# Altium PCB IT_Asset_Tracking_Rack_Controller-H743.PcbDoc (part 3 of 4)
Units mm, origin at the board's own origin, x right, y up, seen from the top; angles counter-clockwise.
Board outline 130 x 85 mm, 4 copper layers (Top Layer, MidLayer1, MidLayer2, Bottom Layer), stack 1.98 mm thick; 255 components, 233 nets, 1248 pads, 674 vias.
Unrouted connection lines stored in the file: 9.
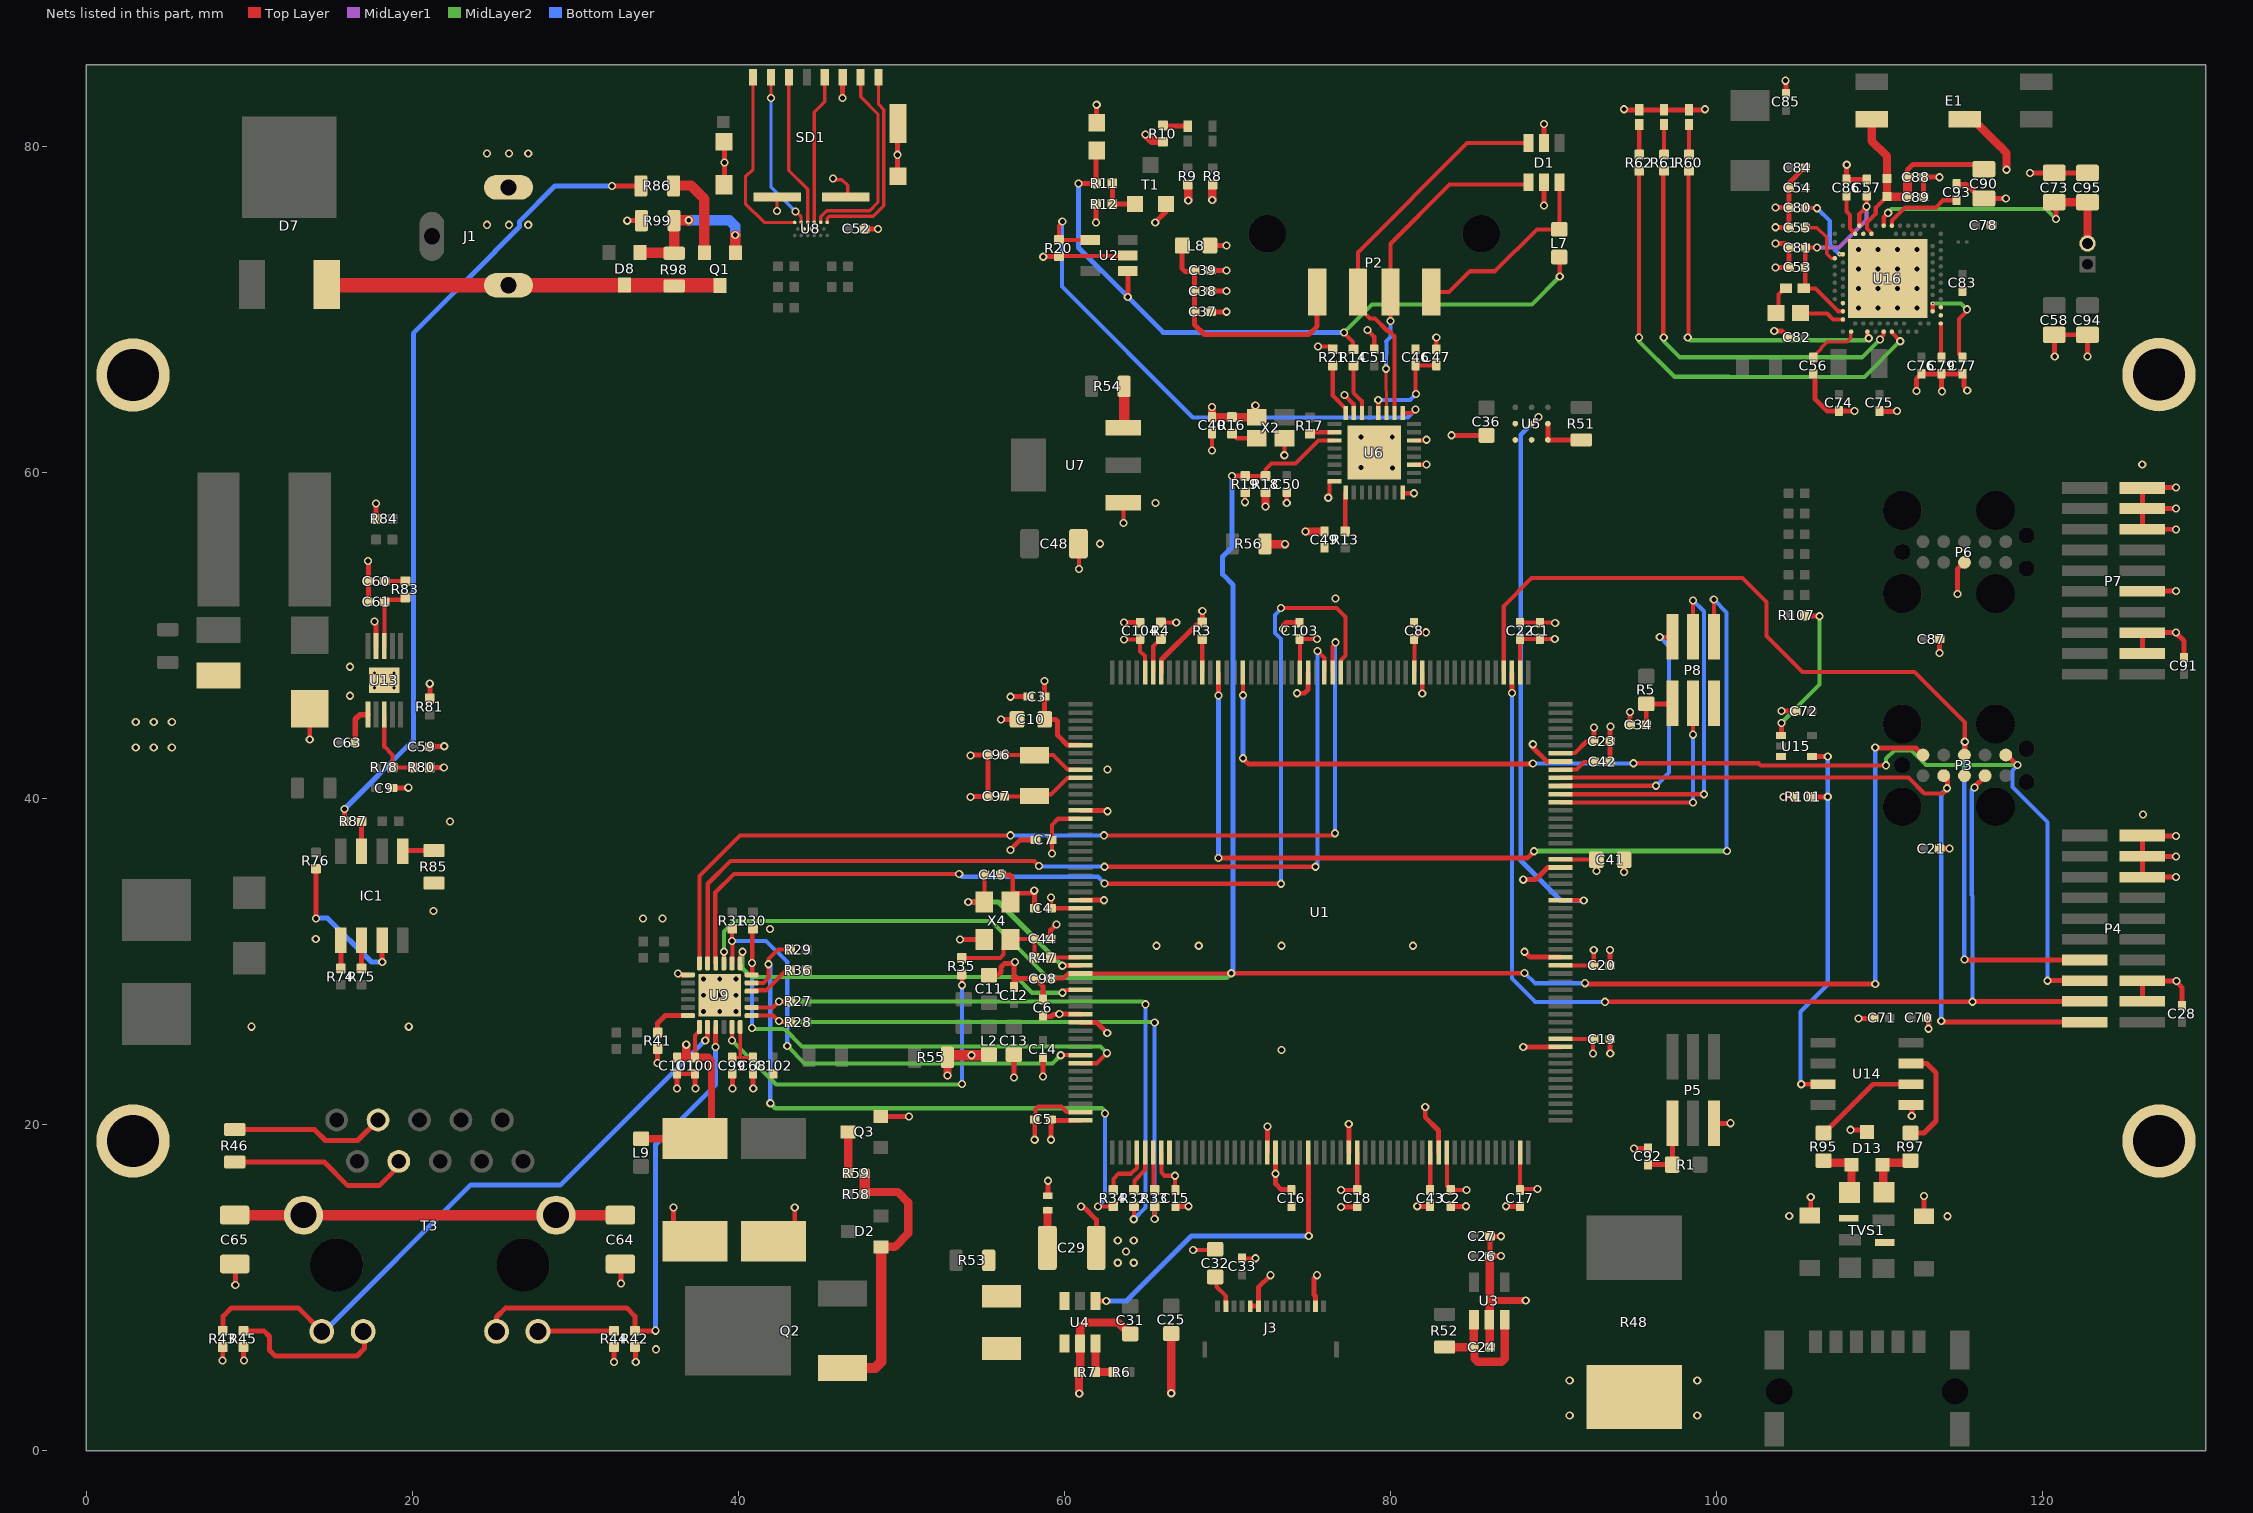
[diagram p5: the nets of this part, all layers, seen from the top]

## Via types
v1: diameter 0.5, hole 0.3, Top Layer to Bottom Layer, tented both sides, 626 vias
v2: diameter 0.61, hole 0.305, Top Layer to Bottom Layer, tented both sides, 16 vias
v3: diameter 0.25, hole 0.1, Top Layer to Bottom Layer, tented both sides, 16 vias
v4: diameter 0.6, hole 0.3, Top Layer to Bottom Layer, tented both sides, 9 vias
v5: diameter 0.3, hole 0.2, Top Layer to Bottom Layer, tented bottom, 5 vias
v6: diameter 0.5, hole 0.3, Top Layer to Bottom Layer, 2 vias

## Nets (pads, with @x,y where several pads share a name; then routed paths per layer and width w, separated by ;. In a path a pad name is that pad's centre, name@x,y a point inside that pad or via, vN(x,y) a via of type N, cw(c..) or ccw(c..) an arc to the next point about the centre after c; other vN are vias at no path point) (continued)
+3.3V: C1.2 C2.2 C3.2 C4.2 C5.2 C6.2 C7.2 C8.2 C10.2 C15.2 C16.2 C17.2 C18.2 C19.2 C20.2 C22.2 C23.2 C41.2 C103.2 C104.2 L2.1 R4.1 R55.2 U1.6 U1.15 U1.26 U1.39 U1.52 U1.59 U1.73 U1.83 U1.94 U1.103 U1.115 U1.124 U1.137 U1.150 U1.158 U1.171 U1.185 U1.204 | length 63.8
  Top Layer w0.254: v1(59.174,33.934) 59.178,33.93 59.178,33.278 C4.2@59.174,33.274 59.176,33.272 60.971,33.272 U1.26@60.973,33.27 ; v1(59.233,36.625) 59.229,36.629 59.229,37.461 C7.2@59.225,37.465 59.225,38.371 59.614,38.76 60.963,38.76 U1.15@60.973,38.77 ; v1(63.652,49.759) 64.616,49.759 C104.2@64.643,49.786 ; C104.2@64.643,49.836 C104.2@64.643,49.786 ; U1.204@64.942,47.739 64.929,47.752 64.929,48.736 64.643,49.022 C104.2@64.643,49.786 ; R4.1@65.913,50.792 65.921,50.8 v1(66.853,50.8) ; U1.59@65.938,18.288 65.942,18.284 65.942,17.065 66.142,16.866 v1(66.777,16.866) 66.789,16.853 66.789,15.981 C15.2@66.777,15.969 ; U1.59@65.942,18.301 U1.59@65.955,18.288 ; U1.73@72.929,18.288 U1.73@72.942,18.301 ; U1.185@74.442,47.739 74.442,49.766 C103.2@74.422,49.786 75.487,49.786 v1(75.489,49.784) ; v1(76.962,16.002) 76.97,15.994 C18.2@77.953,15.994 ; U1.83@77.942,18.301 77.955,18.288 77.955,16.017 C18.2@77.978,15.994 ; C8.2@81.442,49.786 81.444,49.784 81.458,49.77 U1.171@81.458,47.777 ; U1.94@83.442,18.301 83.455,18.288 83.455,16.232 C2.2@83.693,15.994 84.65,15.994 v1(84.658,16.002) ; U1.103@87.942,18.301 87.938,18.297 87.938,15.998 87.994,16.053 v1(89.002,16.053) ; U1.158@87.942,47.739 C22.2@87.942,49.786 87.942,49.792 C1.2@89.154,49.792 ; C1.2@89.155,49.785 v1(90.068,49.784) ; U1.115@90.411,25.27 90.422,25.259 92.453,25.259 C19.2@92.456,25.256 ; U1.137@90.411,36.27 C41.2@92.598,36.27 ; U1.124@90.411,29.77 C20.2@92.464,29.769 92.46,29.773 92.46,30.705 v1(92.456,30.709) ; U1.150@90.422,42.759 U1.150@90.411,42.77 90.424,42.783 91.297,42.783 91.999,43.485 92.439,43.485 C23.2@92.464,43.51 ; v1(92.405,24.359) 92.405,25.205 C19.2@92.456,25.256 ; C19.2@92.464,25.248 C19.2@92.456,25.256 ; v1(92.634,35.56) 92.634,36.234 C41.2@92.622,36.246 C41.2@92.603,36.265 ; C41.2@92.598,36.27 92.603,36.275 C41.2@92.603,36.265 ; C41.2@92.598,36.27 C41.2@92.603,36.265
  Top Layer w0.305: C6.2@58.674,26.678 58.674,26.728 C6.2@58.772,26.826 ; v1(58.776,47.219) 58.787,47.207 C3.2@58.787,46.253 C10.2@58.787,44.856 59.461,44.856 59.578,44.74 59.578,43.876 60.172,43.283 60.96,43.283 U1.6@60.973,43.27 ; C6.2@58.825,26.645 59.203,26.645 59.318,26.76 59.647,26.76 v1(59.685,26.797) 59.699,26.783 60.96,26.783 U1.39@60.973,26.77 ; C5.2@59.174,20.32 C5.2@59.178,20.316 ; v1(59.182,19.075) 59.178,19.079 C5.2@59.178,20.316 ; U1.52@60.973,20.27 59.224,20.27 C5.2@59.178,20.316 ; U1.73@72.942,18.301 v1(72.942,16.993) 72.949,16.986 72.949,16.372 73.304,16.016 73.914,16.016 C16.2@73.914,15.994 ; C8.2@81.444,49.784 81.853,50.194 v1(82.169,50.194) ; C23.2@92.464,43.51 v1(92.464,44.348)
  Top Layer w0.508: v1(52.832,23.012) R55.2@52.832,24.095
  Top Layer w0.635: R55.2@52.816,24.174 52.899,24.257 v1(54.305,24.257) 55.421,24.257 L2.1@55.448,24.284
+3V3: C40.2 C49.2 R8.2 R9.1 R10.1 R16.1 R18.1 R56.2 U6.8 U6.11 U6.14 U6.32 X2.4 | length 14.2
  Top Layer w0.254: v1(76.175,58.445) 76.175,58.512 76.256,58.593 76.256,59.461 76.259,59.464 U6.32@76.559,59.464 ; U6.8@80.744,58.779 80.744,58.728 80.747,58.725 v1(81.425,58.725) ; U6.11@81.429,60.464 81.432,60.467 82.184,60.467 v1(82.194,60.477) ; U6.14@81.429,61.964 81.432,61.967 82.16,61.967 v1(82.194,62.001)
  Top Layer w0.508: v1(64.973,80.721) 65.376,80.318 65.994,80.318 R10.1@66.04,80.272 ; R9.1@67.564,77.656 67.589,77.63 v1(67.589,76.683) ; v1(69.053,64.008) C40.2@69.053,63.39 R16.1@70.273,63.39 70.274,63.389 X2.4@71.794,63.388 ; v1(69.063,76.708) 69.063,77.63 R8.2@69.088,77.656 ; v1(71.704,64.108) 71.704,63.478 X2.4@71.794,63.388 ; X2.4@71.794,63.388 X2.4@71.794,63.388 ; R56.2@72.298,55.618 72.318,55.598 v1(73.533,55.598) ; v6(72.335,57.912) R18.1@72.335,58.778 ; v1(74.778,56.38) C49.2@75.946,56.38
ANT: C88.1 C89.2 C90.2 E1.2 L6.1 L6.2 U16.H23 | length 15.9
  Top Layer w0.254: U16.H23@109.49,74.632 109.49,74.686 109.22,74.956 109.22,75.336 109.756,75.872 109.756,76.236 L6.1@110.439,76.92 L6.1@110.456,76.903 ; C89.2@111.675,76.903 C89.2@111.692,76.886
  Top Layer w0.305: C88.1@111.692,78.105 111.692,78.545 112.039,78.892 116.089,78.892 C90.2@116.383,78.599
  Top Layer w0.508: E1.2@109.504,81.654 109.504,80.336 110.439,79.4 L6.2@110.439,78.02 L6.1@110.439,76.92 ; L6.1@110.456,76.903 C89.2@111.675,76.903
  Top Layer w0.559: C89.2@111.692,76.886 C88.1@111.692,78.105
AUX: IC1.7 R87.2 | length 1.8
  Top Layer w0.305: R87.2@16.883,38.602 16.887,38.598 16.887,36.765 IC1.7@16.891,36.761
BOOT: C63.2 U13.1 | length 2.3
  Top Layer w0.356: C63.2@16.51,43.434 16.51,44.856 16.798,45.144 U13.1@17.288,45.144
COMP: C61.2 R83.1 U13.8 | length 4.1
  Top Layer w0.254: U13.8@18.288,49.344 18.292,49.348 18.292,52.057 18.428,52.193 19.444,52.193 R83.1@19.583,52.332
D+: U16.AD6
D-: U16.AD4
D_N: D1.4 P2.2 U6.19 | length 20.2
  Top Layer w0.203: v1(79.717,66.36) U6.19@79.744,63.649
  Top Layer w0.254: v1(79.994,69.291) 79.994,70.587 P2.2@80.035,70.628 ; P2.2@80.035,71.015 P2.2@79.994,71.056 79.994,74.025 83.617,77.648 88.312,77.648 D1.4@88.458,77.794
  Bottom Layer w0.254: v1(79.717,66.36) 79.744,68.008 79.731,68.021 80.035,68.326 79.994,68.367 v1(79.994,69.291)
D_P: D1.3 P2.3 U6.18 | length 24.3
  Top Layer w0.254: U6.18@80.244,63.649 80.244,68.348 79.904,68.688 79.795,68.688 79.045,69.438 78.732,69.438 77.994,70.176 P2.3@77.994,71.056 77.994,73.498 84.69,80.194 D1.3@88.458,80.194
DE_U14: R101.1 U14.3 U15.4 | length 24.1
  Top Layer w0.305: v1(105.181,22.479) 106.418,22.479 106.469,22.428 U14.3@106.52,22.479 ; R101.1@105.816,40.107 v1(106.807,40.107) ; U15.4@105.842,42.57 v1(106.807,42.57)
  Bottom Layer w0.254: v1(105.181,22.479) 105.131,22.53 105.131,26.924 106.807,28.6 v1(106.807,40.107) v1(106.807,42.57)
DEBUGCTS: P8.4 U1.145 | length 23.2
  Top Layer w0.254: U1.145@90.411,40.27 90.418,40.263 v1(99.212,40.263) ; P8.4@98.552,49.911 v1(98.552,52.146)
  Bottom Layer w0.254: v1(98.552,52.146) 99.212,51.486 v1(99.212,40.263)
DEBUGRTS: P8.2 U1.146 | length 16.3
  Top Layer w0.254: U1.146@90.411,40.77 90.423,40.781 v1(96.266,40.781) ; v1(96.509,49.911) P8.2@97.282,49.911
  Bottom Layer w0.254: v1(96.266,40.781) 97.079,41.594 97.079,49.341 v1(96.509,49.911)
DEBUGRX: P8.3 U1.144 | length 14.2
  Top Layer w0.254: U1.144@90.411,39.77 v1(98.552,39.751) ; v1(98.552,43.917) P8.3@98.552,45.847
  Bottom Layer w0.254: v1(98.552,39.751) v1(98.552,43.917)
DEBUGTX: P8.6 U1.195 | length 60.8
  Top Layer w0.254: P8.6@99.822,49.911 v1(99.822,52.197)
  Top Layer w0.305: U1.195@69.442,47.739 69.447,47.735 69.447,46.334 v1(69.451,46.33) ; v1(69.444,36.347) 88.376,36.347 v1(88.798,36.77)
  MidLayer2 w0.254: v1@100.626,36.77 v1(100.635,36.779)
  MidLayer2 w0.305: v1(88.798,36.77) v1@100.626,36.77
  Bottom Layer w0.254: v1(99.822,52.197) 100.609,51.41 100.609,36.805 v1(100.635,36.779)
  Bottom Layer w0.305: v1(69.444,36.347) 69.444,46.322 v1(69.451,46.33)
DEC1: C56.2 U16.C1 | length 3.3
  Top Layer w0.203: C56.2@105.918,67.048 105.918,67.098 106.411,67.591 106.411,67.651 106.756,67.996 107.967,67.996 108.226,68.255 108.226,68.618 U16.C1@108.24,68.632
DEC3: C86.2 U16.D23 | length 2.6
  Top Layer w0.254: C86.2@107.95,76.97 107.95,76.017 108.179,75.788 108.179,74.949 108.49,74.638 U16.D23@108.49,74.632
DEC6_to_4: C53.2 C57.2 C81.2 L3.1 U16.B5 U16.E24 | length 12.8
  Top Layer w0.254: v1(106.147,73.787) C81.2@105.427,73.787 C53.2@105.427,72.568 105.427,71.384 L3.1@105.342,71.298 105.369,71.271 106.048,71.271 107.432,69.886 107.736,69.886 U16.B5@107.74,69.882 ; U16.E24@108.74,75.132 108.744,75.136 108.744,75.848 109.2,76.303 109.2,76.96 C57.2@109.198,76.962
  MidLayer1 w0.254: v1(106.147,73.787) 107.495,73.787 107.656,73.948 109.195,75.486 v1(109.195,76.302)
DET: IC1.3 R76.2 | length 9.6
  Top Layer w0.305: v1(14.097,32.639) R76.2@14.097,35.695 ; v1(18.161,29.972) IC1.3@18.161,31.311
  Bottom Layer w0.305: v1@14.046,32.664 14.808,32.664 17.501,29.972 v1(18.161,29.972)
EN_3V3: R78.2 R80.1 U13.3 | length 4.7
  Top Layer w0.254: U13.3@18.288,45.144 18.288,43.18 18.788,42.68 R78.2@18.788,41.91 R80.1@20.074,41.91
EN_5V: U1.132 U5.B2 | length 34.6
  Top Layer w0.305: U5.B2@88.646,62.992 88.658,62.992 89.062,63.396 v1(89.078,63.396) ; U1.132@90.411,33.77 90.418,33.763 91.84,33.763 v1(91.846,33.757)
  Bottom Layer w0.305: v1(89.078,63.396) 87.982,62.3 87.982,36.199 90.424,33.757 v1(91.846,33.757)
EN_12V: U1.77 U4.4 | length 19.3
  Top Layer w0.305: U4.4@61.91,9.174 61.931,9.195 v1(62.56,9.195) ; U1.77@74.955,17.716 74.955,13.209 v1(74.981,13.183)
  Bottom Layer w0.305: v1(62.56,9.195) 63.805,9.195 67.793,13.183 v1(74.981,13.183)
ETH_CRS_DV: R34.1 U1.56 | length 3.3
  Top Layer w0.254: R34.1@63.017,16.002 63.005,16.015 63.005,16.675 63.322,16.993 64.084,16.993 64.44,17.348 64.44,18.299 U1.56@64.442,18.301
ETH_MDC: U1.36 U9.13 | length 23.2
  Top Layer w0.254: U9.13@40.112,29.89 40.135,29.913 40.135,30.416 40.259,30.54 v1(40.259,30.607) ; v1(59.87,28.092) 60.035,28.257 60.96,28.257 U1.36@60.973,28.27
  MidLayer2 w0.254: v1(40.259,30.607) 40.259,29.591 40.796,29.054 57.052,29.054 58.014,28.092 v1(59.87,28.092)
ETH_MDIO: R30.2 U1.45 U9.12 | length 31.1
  Top Layer w0.254: U9.12@40.818,29.21 40.85,29.21 40.853,29.213 40.853,31.971 R30.2@40.894,32.012 ; U1.45@60.973,23.77 61.997,23.77 v1(62.611,24.384)
  MidLayer2 w0.254: v1(40.843,25.933) 40.915,25.861 42.846,25.861 43.913,24.794 62.201,24.794 v1(62.611,24.384)
  Bottom Layer w0.254: v1(40.843,25.933) v1(40.843,29.921)
ETH_NRST: C98.2 P3.10 R18.2 R19.1 U1.34 U6.27 U9.15 | length 141.9
  Top Layer w0.254: U9.15@39.112,29.89 v1(39.112,30.607) ; C98.2@59.174,28.956 59.923,28.956 60.253,29.286 U1.34@60.96,29.286 ; U1.34@60.973,29.27 v1@70.194,29.27 ; v1(70.231,29.284) 88.186,29.284 v1(88.214,29.312) ; R19.1@71.09,59.778 R18.2@72.335,59.778 72.335,60.181 72.704,60.55 74.178,60.55 75.589,61.961 76.556,61.961 U6.27@76.559,61.964
  Top Layer w0.305: v1(70.274,59.776) 70.276,59.778 R19.1@71.09,59.778 ; v1(91.923,28.677) 91.969,28.63 v1(109.722,28.63) ; v1(109.722,43.129) 109.741,43.11 112.211,43.11 P3.10@112.649,42.672
  MidLayer2 w0.254: v1(39.112,30.607) 39.112,31.848 39.765,32.5 55.485,32.5 58.979,29.007 69.954,29.007 v1(70.231,29.284)
  Bottom Layer w0.254: v1(88.214,29.312) 88.849,28.677 v1(91.923,28.677) ; v1(109.722,28.63) v1(109.722,43.129)
  Bottom Layer w0.305: v1(70.231,29.284) 70.348,29.4 70.348,53.096 69.698,53.746 69.698,54.839 70.274,55.415 v1(70.274,59.776)
ETH_OSC_25M: R35.2 U9.5 | length 22.8
  Top Layer w0.254: v1(39.612,25.171) 39.618,25.177 39.618,25.984 U9.5@39.612,25.99 ; R35.2@53.696,29.218 53.713,29.201 v6(53.713,28.55)
  MidLayer2 w0.254: v1(39.612,25.171) 42.326,22.458 53.674,22.458 v1(53.721,22.504)
  Bottom Layer w0.254: v6(53.713,28.55) 53.713,22.512 v1(53.721,22.504)
ETH_REF_CLK: R31.2 U1.44 U9.14 | length 29.9
  Top Layer w0.254: U9.14@39.599,29.896 U9.14@39.612,29.909 ; U9.14@39.612,29.89 U9.14@39.612,29.909 ; R31.2@39.624,32.012 39.621,32.009 39.621,31.27 v1(39.618,31.267) 39.649,31.236 39.649,29.947 U9.14@39.612,29.909 ; v1(59.772,24.257) 59.779,24.263 60.966,24.263 U1.44@60.973,24.27
  MidLayer2 w0.254: v1(43.002,24.816) 44.065,23.753 59.268,23.753 v1(59.772,24.257)
  Bottom Layer w0.254: v1(39.618,31.267) 41.707,31.267 43.002,29.972 v1(43.002,24.816)
ETH_RX_D0: R32.1 U1.57 | length 2.6
  Top Layer w0.254: R32.1@64.262,15.977 64.287,16.002 64.287,16.561 64.948,17.221 64.948,18.295 U1.57@64.942,18.301
ETH_RX_D1: R33.1 U1.58 | length 2.3
  Top Layer w0.254: U1.58@65.442,18.301 65.455,18.288 65.455,16.079 R33.1@65.532,16.002
ETH_RXER: R36.1 U9.10 | length 2.9
  Top Layer w0.254: U9.10@40.812,28.19 40.863,28.241 41.703,28.241 42.926,29.464 R36.1@43.188,29.464
ETH_TX_D0: U1.182 U9.17 | length 57.6
  Top Layer w0.254: U9.17@38.112,29.89 38.125,29.903 38.125,34.773 39.522,36.17 58.144,36.17 v1(58.449,35.865) ; v1(62.459,35.814) v1(75.387,35.814) ; v1(75.514,49.047) 75.514,49.04 75.942,48.612 U1.182@75.942,47.739
  Bottom Layer w0.254: v1(58.449,35.865) 58.474,35.839 62.433,35.839 v1(62.459,35.814) ; v1(75.387,35.814) 75.514,35.941 v1(75.514,49.047)
ETH_TX_D1: U1.181 U9.18 | length 59.1
  Top Layer w0.254: U9.18@37.612,29.89 37.612,35.25 40.107,37.744 v1(56.693,37.744) ; v1(62.433,37.744) 76.454,37.744 v1(76.581,37.871) ; U1.181@76.442,47.739 76.442,49.324 76.632,49.514 v1(76.632,49.581)
  Bottom Layer w0.254: v1(56.693,37.744) v1(62.433,37.744) ; v1(76.581,37.871) 76.581,49.53 v1(76.632,49.581)
ETH_TX_EN: U1.180 U9.16 | length 64.7
  Top Layer w0.254: U9.16@38.612,29.89 38.583,29.919 38.583,34.239 39.726,35.382 v1(53.543,35.382) ; v1(62.459,34.798) 62.48,34.777 73.275,34.777 v1(73.279,34.773) ; v1(73.279,51.689) 76.683,51.689 77.241,51.13 77.241,48.774 76.95,48.483 76.95,47.747 U1.180@76.942,47.739
  Bottom Layer w0.254: v1(53.543,35.382) 53.721,35.204 62.052,35.204 v1(62.459,34.798) ; v1(73.279,34.773) 73.279,49.784 72.902,50.161 72.902,51.245 73.279,51.622 v1(73.279,51.689)
GND: C1.1 C2.1 C3.1 C4.1 C5.1 C6.1 C7.1 C8.1 C9.1 C10.1 C11.1 C12.1 C13.1 C14.1 C15.1 C16.1 C17.1 C18.1 C19.1 C20.1 C21.1 C22.1 C23.1 C24.1 C25.1 C26.1 C27.1 C28.1 C29.1 C30.2 C31.1 C32.1 C33.1 C34.1 C35.2 C36.1 C37.1 C38.1 C39.1 C40.1 C41.1 C42.1 C43.1 C44.1 C45.1 C46.1 C47.1 C48.2 C49.1 C50.1 C51.1 C52.1 C53.1 C54.1 C55.1 C56.1 C57.1 C58.1 C59.1 C60.1 C61.1 C62.2 C64.1 C65.1 C66.2 C67.2 C68.1 C70.1 C71.1 C72.1 C73.1 C74.2 C75.2 C76.1 C77.1 C78.1 C79.1 C80.2 C81.1 C82.1 C83.1 C84.1 C85.1 C86.1 C87.1 C88.2 C89.1 C90.1 C91.1 C92.1 C93.1 C94.1 C95.1 C96.1 C97.1 C98.1 C99.1 C100.1 C101.1 C102.1 C103.1 C104.1 D1.2 D1.5 D9.2 D11.1 D12.1 D13.3 E1.3 J1.2 J3.2 J3.9 J3.10 L8.1 LD9.1 LD10.1 LD11.1 P3.3 P4.3 P4.5 P4.15 P4.17 P4.19 P5.5 P6.3 P7.3 P7.5 P7.9 P7.15 P7.17 P7.19 P8.5 pad.4 pad.5 pad.6 pad.7 Q3.2 R3.2 R7.2 R12.2 R19.2 R20.2 R21.2 R36.2 R41.2 R42.2 R43.2 R44.2 R45.2 R48.2 R80.2 R81.2 R84.2 R85.2 R99.2 R101.2 SD1.6 SD1.10 T1.2 TVS1.2 TVS1.6 U1.14 U1.25 U1.40 U1.51 U1.60 U1.72 U1.82 U1.93 U1.114 U1.125 U1.136 U1.149 U1.170 U1.184 U1.202 U2.2 U3.2 U4.2 U5.A1 U5.A2 U5.B1 U6.23 U6.33 U7.1 U8.GND U9.EP U13.9 U14.5 U15.3 U16.74 U16.B7 U16.F23 X2.2 X4.2 X4.4 | length 265.6
  Top Layer w0.203: v1(42.367,76.022) 42.375,76.03 SD1.10@42.375,76.901 ; v1(45.796,78.029) 45.872,77.953 46.355,77.953 46.711,77.597 46.711,77.012 SD1.10@46.6,76.901
  Top Layer w0.254: 56.829,34.366 57.006,34.188 57.983,34.188 v1(58.144,34.349) ; v1(58.174,19.075) C5.1@58.174,20.32 58.213,20.359 58.213,20.951 58.369,21.107 59.815,21.107 60.139,20.783 60.96,20.783 U1.51@60.973,20.77 ; R20.2@59.665,73.262 63.844,73.262 U2.2@63.888,73.305 ; C48.2@60.86,55.626 60.885,55.601 v1(60.885,54.077) ; U7.1@63.606,58.152 63.627,58.131 v1(63.627,56.896) ; v1(67.894,12.319) 69.203,12.319 C32.1@69.24,12.356 ; v1(69.053,61.346) C40.1@69.053,62.39 ; C33.1@70.894,11.803 71.714,11.803 v1(71.722,11.811) ; v1(71.067,58.174) 71.067,58.709 71.044,58.732 R19.2@71.09,58.778 ; v1(73.482,61.054) 73.494,61.066 X2.2@73.494,62.088 ; v1(73.635,58.115) C50.1@73.635,58.784 ; v1(75.557,67.716) 76.294,67.716 R21.2@76.454,67.556 ; v1(77.174,64.745) 77.741,64.178 77.741,63.652 U6.23@77.744,63.649 ; v1(78.575,68.738) 78.994,68.319 C51.1@78.994,67.556 ; C47.1@82.804,67.556 v1(82.804,68.263) ; C22.1@87.942,50.786 C1.1@89.154,50.786 90.083,50.786 v1(90.094,50.775)
  Top Layer w0.305: v1(8.361,5.532) 8.382,5.553 R43.2@8.382,6.358 ; C65.1@9.117,11.454 9.152,11.419 v1(9.152,10.16) ; R45.2@9.652,6.358 9.665,6.345 9.665,5.544 v1(9.677,5.532) ; v1(13.716,43.612) D9.2@13.716,45.502 ; v1(17.294,54.559) 17.305,54.559 C60.1@17.305,53.34 C61.1@17.305,52.07 ; v1(17.678,50.851) 17.788,50.741 U13.9@17.788,49.344 ; R84.2@17.788,57.15 v1(17.788,58.09) ; C9.1@18.788,40.64 19.736,40.64 v1(19.761,40.665) ; R80.2@21.074,41.91 v1(21.938,41.91) ; C59.1@21.074,43.18 21.938,43.18 v1(21.963,43.205) ; v1(21.074,47.044) 21.082,47.036 R81.2@21.082,46.144 ; R44.2@32.378,6.358 32.381,6.354 32.381,5.439 v1(32.385,5.436) ; C64.1@32.766,11.454 32.809,11.411 v1(32.809,10.262) ; v1(33.19,75.438) R99.2@34.052,75.438 ; R42.2@33.655,6.358 33.68,6.333 33.68,5.461 v1(33.706,5.436) ; v1(35.052,23.774) R41.2@35.052,24.646 ; v1(36.017,14.922) 36.017,13.95 37.115,12.852 C66.2@37.338,12.852 ; v1(36.246,22.225) C101.1@36.246,23.122 C100.1@37.338,23.122 37.351,23.109 37.351,22.238 v1(37.363,22.225) ; SD1.10@39.122,77.647 39.142,77.667 v1(39.142,79.002) 39.142,80.256 SD1.10@39.122,80.276 ; C99.1@39.624,23.122 39.635,23.111 39.635,22.236 v1(39.646,22.225) ; C68.1@40.894,23.122 40.905,23.111 40.905,22.236 v1(40.915,22.225) ; C67.2@42.164,12.852 42.362,12.852 43.459,13.95 v1(43.459,14.922) ; v1(46.38,82.956) 46.4,82.976 SD1.6@46.4,84.226 ; C52.1@47.744,74.93 v1(48.565,74.93) ; Q3.2@48.727,20.508 50.467,20.508 v1(50.472,20.503) ; SD1.10@49.79,78.161 49.766,78.186 v1(49.766,79.477) 49.766,81.372 SD1.10@49.79,81.396 ; v1(53.594,31.362) X4.2@55.08,31.362 ; v1(54.229,40.104) 54.243,40.118 55.29,40.118 C97.1@55.304,40.132 C96.1@55.304,42.672 55.293,42.661 54.24,42.661 v1(54.229,42.65) ; C11.1@55.372,29.171 55.386,29.185 55.93,29.185 56.109,29.363 56.109,29.667 56.333,29.892 56.896,29.892 C12.1@56.896,28.44 56.994,28.538 56.994,28.875 57.075,28.956 C98.1@58.174,28.956 58.224,28.956 58.674,28.506 C6.1@58.674,27.678 ; C45.1@56.101,35.331 56.126,35.306 56.65,35.306 56.829,35.127 56.829,34.366 ; v1(56.109,44.847) 56.118,44.856 C10.1@57.087,44.856 C10.1@57.087,44.906 ; v1(56.681,36.853) 57.293,37.465 C7.1@58.225,37.465 ; v1(56.693,46.244) 56.697,46.249 57.783,46.249 C3.1@57.787,46.253 ; C13.1@56.896,24.296 56.909,24.283 v1(56.909,22.889) ; v1(58.144,34.349) 58.159,34.334 58.159,33.289 C4.1@58.174,33.274 ; C14.1@58.674,24.138 58.674,22.981 v1(58.693,22.962) ; v1(58.699,73.228) 59.631,73.228 R20.2@59.665,73.262 ; C30.2@58.979,15.639 58.984,15.645 v1(58.984,16.562) ; C44.1@59.149,31.394 59.149,31.927 v1(59.505,32.283) ; U1.40@60.973,26.27 61.976,26.27 v1(62.621,25.625) ; U1.25@60.973,33.77 62.429,33.77 v1(62.433,33.766) ; U1.14@60.973,39.27 62.584,39.27 v1(62.636,39.218) ; v1(61.011,14.99) 61.134,14.99 61.952,14.172 C29.1@61.952,12.446 ; v1(61.933,75.332) R12.2@61.933,76.454 ; C35.2@61.976,81.444 v1(61.976,82.55) ; v1(63.652,50.8) 63.667,50.786 C104.1@64.643,50.786 ; v1(65.569,75.336) 66.228,75.996 T1.2@66.228,76.456 ; U1.202@65.942,47.739 65.955,47.752 65.955,48.523 68.076,50.644 68.305,50.644 R3.2@68.453,50.792 v1(68.453,51.511) ; C15.1@66.802,14.994 v1(67.609,14.994) ; L8.1@68.922,73.914 v1(69.932,73.914) ; C37.1@68.978,69.85 v1(69.926,69.85) ; C38.1@68.978,71.12 v1(69.926,71.12) ; C39.1@68.978,72.39 v1(69.926,72.39) ; J3.10@71.394,8.866 J3.9@71.894,8.866 71.894,10.02 v1(72.644,10.77) ; v1(72.441,19.888) 72.442,19.887 U1.72@72.442,18.301 ; v1(73.406,50.394) 73.442,50.43 73.442,50.642 73.586,50.786 C103.1@74.422,50.786 ; v1@74.244,46.457 74.709,46.457 74.942,46.689 U1.184@74.942,47.739 ; J3.2@75.394,8.866 75.392,8.868 75.392,9.483 75.311,9.564 75.311,10.592 v1(75.489,10.77) ; v1(76.962,14.961) 77.919,14.961 C18.1@77.953,14.994 ; v1(77.437,20.051) 77.442,20.046 U1.82@77.442,18.301 ; v1(81.633,14.994) C43.1@82.423,14.994 ; v1(81.942,46.431) U1.170@81.942,47.739 ; v1(82.125,21.082) 82.125,20.455 82.942,19.638 U1.93@82.942,18.301 ; C2.1@83.693,14.994 v1(84.633,14.994) ; v1(83.731,62.278) 83.74,62.269 C36.1@85.877,62.269 ; U3.2@86.056,8.045 86.077,8.066 86.204,8.192 86.204,9.22 ; v1@86.716,13.157 C27.1@86.098,13.157 C26.1@86.098,11.938 v1(86.773,11.938) ; v1(87.071,14.994) C17.1@87.935,14.994 ; v1(88.132,35.024) 88.887,35.024 89.621,35.757 90.399,35.757 U1.136@90.411,35.77 ; v1(88.138,24.765) 90.406,24.765 U1.114@90.411,24.77 ; v1(88.214,30.607) 88.551,30.27 U1.125@90.411,30.27 ; v1(88.722,43.332) 88.722,43.133 89.572,42.283 90.399,42.283 U1.149@90.411,42.27 ; v1(89.408,76.378) D1.5@89.408,77.794 ; D1.2@89.408,80.194 v1(89.408,81.356) ; v1(93.461,30.705) 93.464,30.702 C20.1@93.464,29.769 ; C19.1@93.464,25.248 93.464,24.367 v1(93.472,24.359) ; C42.1@93.472,42.266 93.468,42.27 93.468,43.506 C23.1@93.464,43.51 93.464,44.408 v1(93.481,44.425) ; v1@94.31,82.238 LD11.1@95.25,82.238 LD10.1@96.774,82.238 LD9.1@98.298,82.238 99.256,82.238 v1(99.289,82.271) ; v1@94.322,35.514 C41.1@94.322,36.246 ; C34.1@94.682,44.501 v1@94.682,45.314 ; v1@94.929,18.551 C92.1@95.783,18.551 ; P5.5@99.822,20.08 v1@100.838,20.08 ; v1(103.53,68.682) 103.996,68.682 C82.1@104.402,68.275 ; v1(103.598,76.251) 104.402,76.251 C80.2@104.427,76.225 ; v1(103.607,72.568) C53.1@104.427,72.568 C81.1@104.427,73.787 104.173,74.041 v1(103.607,74.041) ; v1(103.607,75.032) 103.632,75.006 C55.1@104.427,75.006 C80.2@104.427,76.225 ; v1(103.962,45.364) 104.631,45.364 104.732,45.466 C72.1@104.834,45.364 ; v1(104.089,40.094) 104.102,40.107 R101.2@104.816,40.107 ; v1(104.216,84.023) 104.242,83.998 C85.1@104.242,83.228 ; C84.1@105.427,78.689 105.377,78.689 104.47,77.782 104.47,77.452 104.477,77.445 C54.1@104.427,77.445 C80.2@104.427,76.225 ; D11.1@105.766,14.488 v1(105.766,15.57) ; C56.1@105.918,66.048 106.014,65.952 106.014,64.527 106.779,63.762 C74.2@107.493,63.762 v1(108.458,63.762) ; v1(107.975,78.867) 107.95,78.842 C86.1@107.95,77.97 107.954,77.966 109.194,77.966 C57.1@109.198,77.962 ; v1(108.204,19.685) 109.077,19.685 D13.3@109.22,19.542 ; v1(108.687,26.518) C71.1@109.609,26.518 ; C75.2@109.982,63.762 109.995,63.749 110.943,63.749 110.955,63.762 v1(111.049,63.762) ; U14.5@111.92,21.209 111.963,21.166 v1(111.963,20.523) ; v1(112.243,64.999) 112.243,65.743 C76.1@112.547,66.048 C79.1@113.792,66.048 ; C89.1@112.692,76.886 C88.2@112.692,78.105 113.668,78.105 v1(113.669,78.103) ; D12.1@112.71,14.384 v1@112.71,15.616 ; C70.1@112.895,26.543 112.979,26.459 v1(112.979,25.883) ; C87.1@113.657,49.784 113.657,48.928 v1(113.665,48.92) ; C21.1@113.665,36.932 v1(114.275,36.932) ; v1(113.817,64.973) 113.792,64.999 C79.1@113.792,66.048 ; C93.1@114.706,77.691 114.74,77.657 115.324,77.657 116.183,76.799 C90.1@116.383,76.799 117.725,76.799 v1(117.729,76.795) ; v1(114.757,52.553) 114.757,54.051 P6.3@115.189,54.483 ; v1(115.367,65.024) 115.367,65.077 115.153,65.291 115.153,65.957 C77.1@115.062,66.048 C79.1@113.792,66.048 ; v1(119.209,78.37) C73.1@120.701,78.37 C95.1@122.733,78.37 ; v1(120.726,67.107) 120.726,68.417 C58.1@120.701,68.442 C94.1@122.733,68.442 v1(122.733,67.107) ; P4.3@126.098,27.559 P4.5@126.098,28.829 126.111,28.816 128.181,28.816 128.181,28.763 128.524,28.421 C28.1@128.524,27.297 ; P7.3@126.098,48.895 P7.5@126.098,50.165 126.111,50.178 128.155,50.178 v1(128.168,50.19) 128.168,50.156 128.651,49.673 C91.1@128.651,48.633 ; P7.9@126.098,52.705 126.111,52.718 128.156,52.718 v1(128.168,52.73) ; v1(128.168,35.179) P4.15@126.098,35.179 P4.17@126.098,36.449 ; v1(128.168,36.449) P4.17@126.098,36.449 ; v1(128.168,37.694) 128.156,37.706 126.111,37.706 P4.19@126.098,37.719 P4.17@126.098,36.449 ; v1(128.168,56.49) 128.143,56.515 P7.15@126.098,56.515 P7.17@126.098,57.785 ; v1(128.168,57.785) P7.17@126.098,57.785 ; v1(128.168,59.08) 128.155,59.068 126.111,59.068 P7.19@126.098,59.055 P7.17@126.098,57.785